# Altium PCB 2-quilter-output.pcbdoc (part 3 of 17)
Units mil, origin at the board's own origin, x right, y up, seen from the top; angles counter-clockwise.
Board outline 2728 x 2217 mil, 8 copper layers (L1_TOP, L2_GND, L3_INNER1, L4_GND, L5_PWR, L6_PWR, L7_GND, L8_BOT), stack 48.64 mil thick; 230 components, 327 nets, 1592 pads, 995 vias.
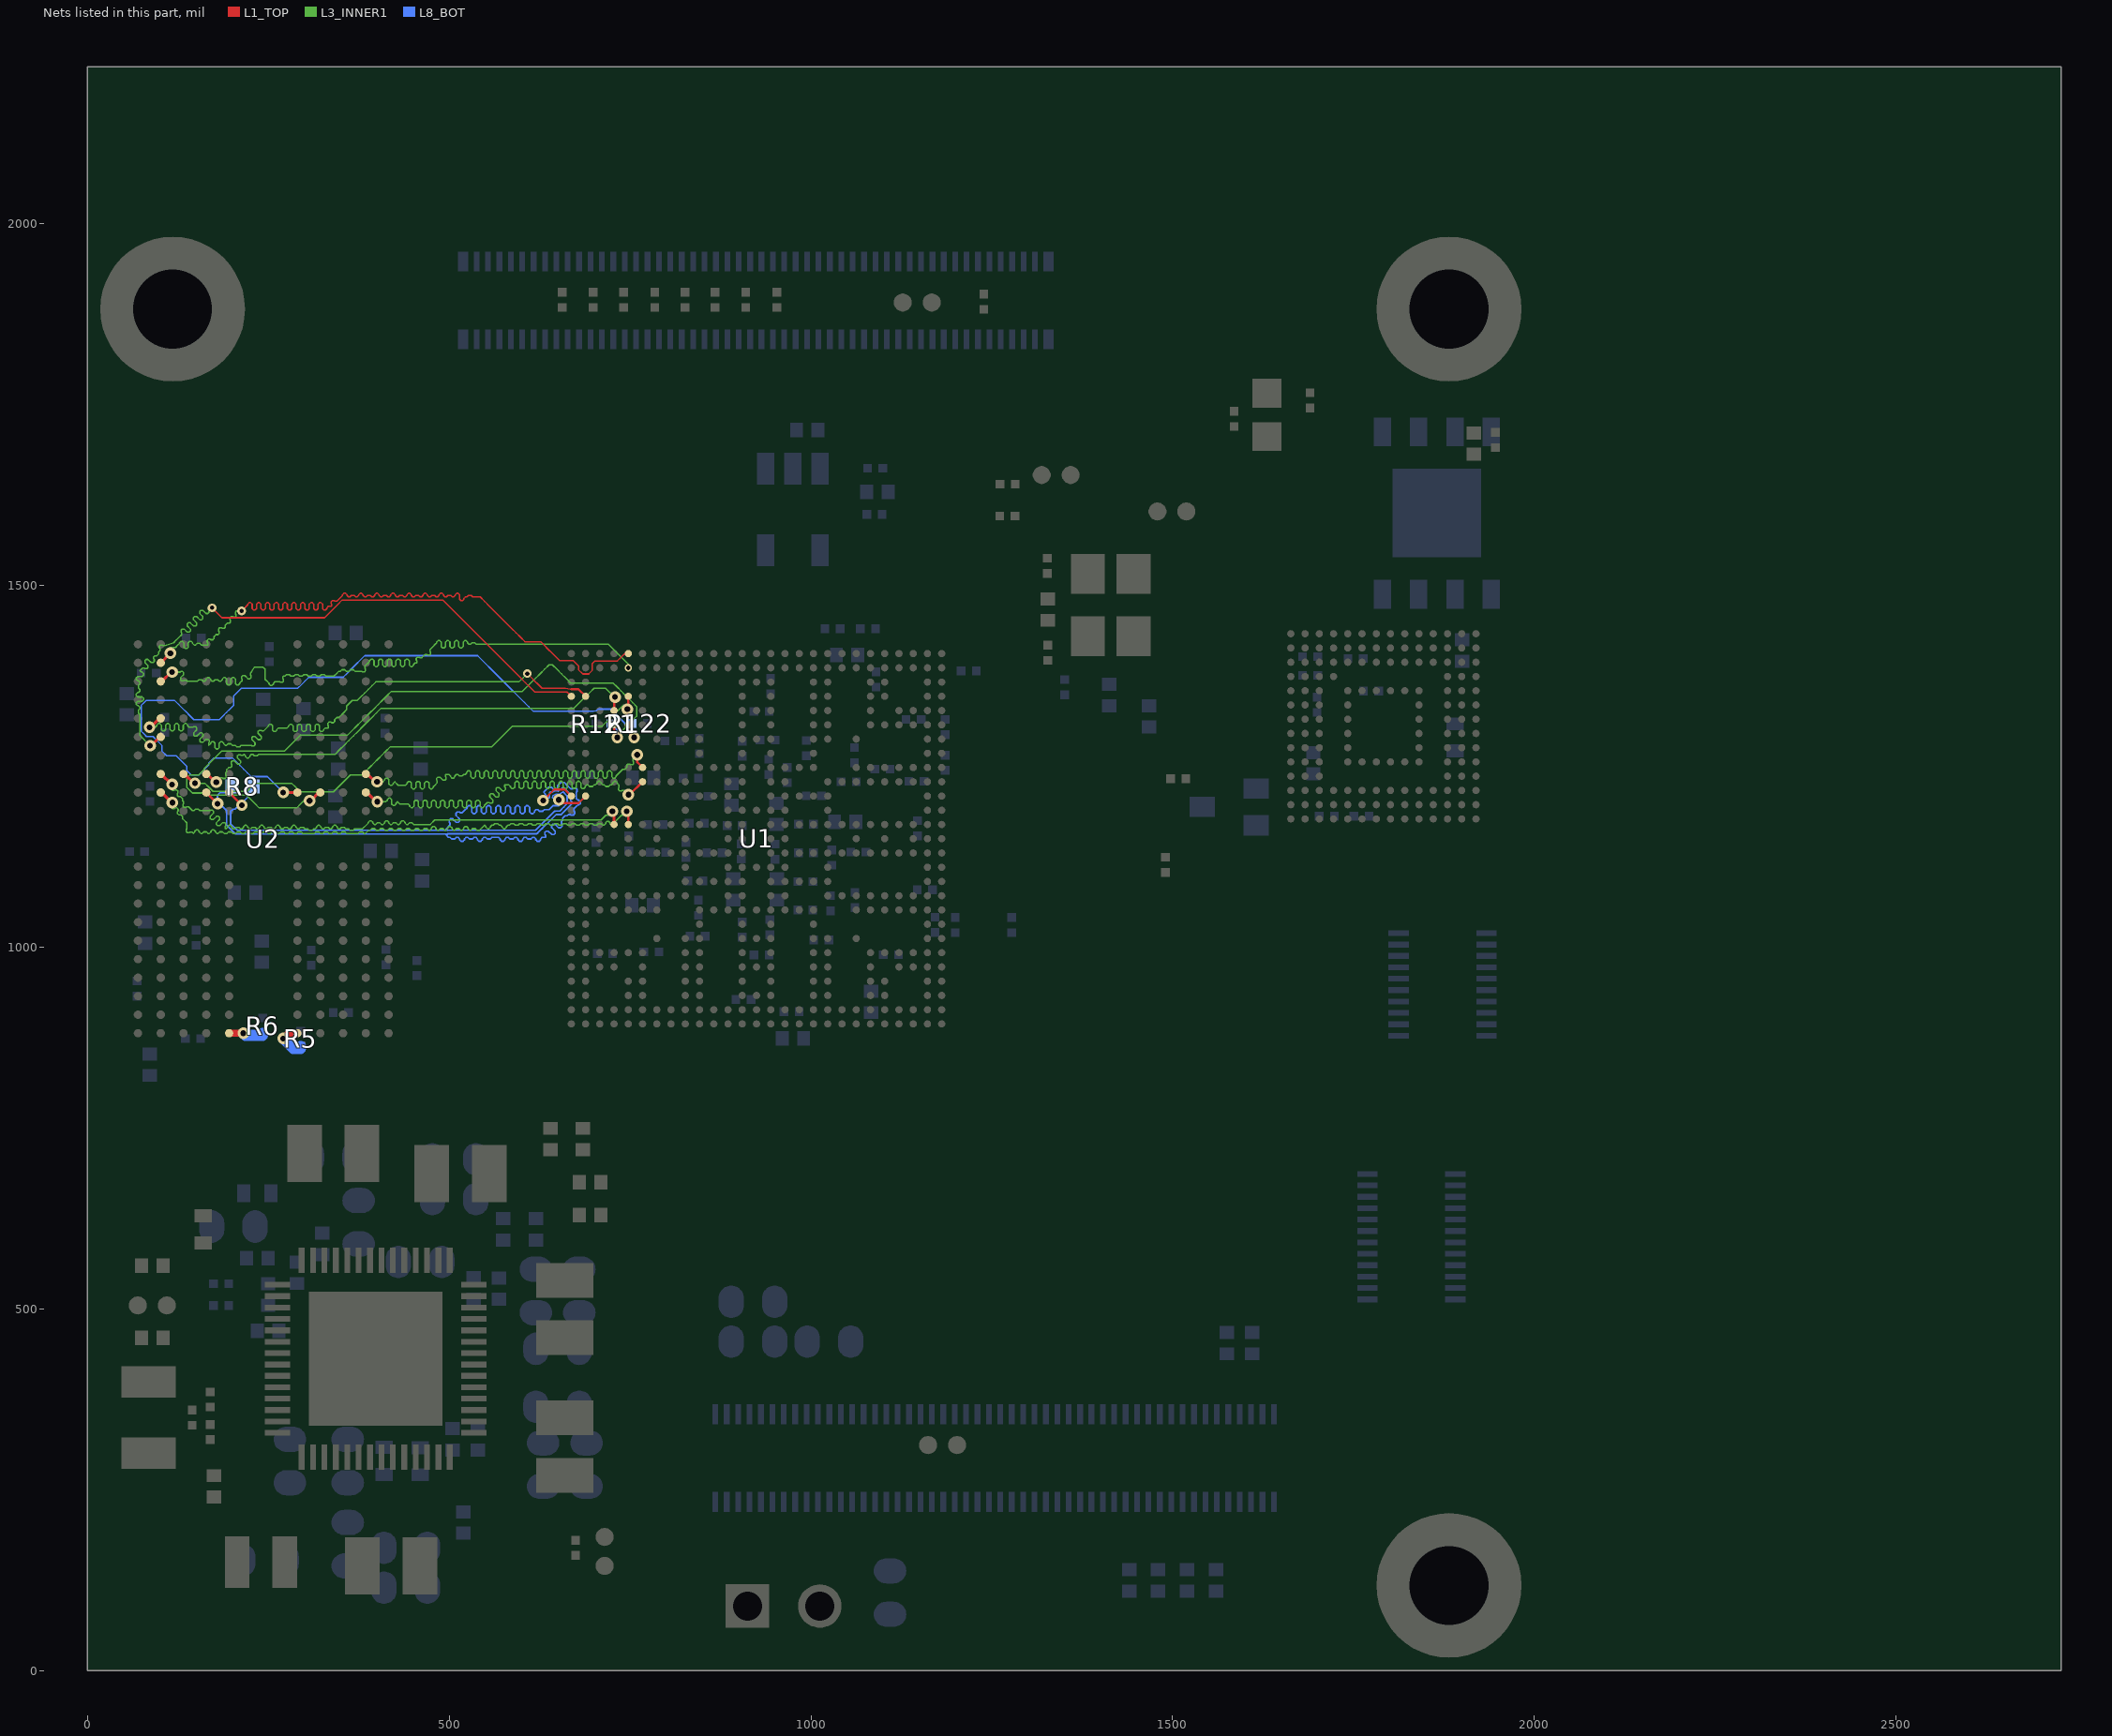
[diagram p9: the nets of this part, all layers, seen from the top]

## Via types
v1: diameter 12.01, hole 5.91, L1_TOP to L8_BOT, tented both sides, 409 vias
v2: diameter 16, hole 8, L1_TOP to L8_BOT, tented both sides, 329 vias
v3: diameter 10, hole 6, L1_TOP to L8_BOT, tented both sides, 205 vias
v4: diameter 16, hole 8, L1_TOP to L8_BOT, tented top, 52 vias

## Nets (pads, with @x,y where several pads share a name; then routed paths per layer and width w, separated by ;. In a path a pad name is that pad's centre, name@x,y a point inside that pad or via, vN(x,y) a via of type N, cw(c..) or ccw(c..) an arc to the next point about the centre after c; other vN are vias at no path point) (continued)
DRAM_ZQ0: R5.2 U2.A5 | length 55.5
  L1_TOP w10: v2(270.89,873.9) 278.19,881.2 U2.A5@290.57,881.2
  L8_BOT w15: v2(270.89,873.9) 284.64,860.15 294.98,860.15 R5.2@294.98,863.14
DRAM_ZQ1: R6.2 U2.A8 | length 50.8
  L1_TOP w10: U2.A8@196.09,881.2 v4(215.77,881.2)
  L8_BOT w15: v4(215.77,881.2) 218.74,878.23 242.62,878.23 R6.2@242.62,881.22
DRAMA_CA0: U1.J6 U2.R2 | length 765.5
  L1_TOP w3.3: v2(760.04,1265.84) 760.04,1255.69 U1.J6@767.41,1248.32
  L1_TOP w4.1: U2.R2@385.06,1239.47 387.06,1239.47 397.89,1228.64 v4(400.53,1228.64)
  L3_INNER1 w2: v4(400.53,1228.64) 408.58,1228.64 408.71,1228.64 410.75,1230.68 410.75,1231.68 412.78,1233.72 414.79,1233.72 416.82,1231.68 416.82,1225.6 418.86,1223.57 420.86,1223.57 422.9,1225.6 422.9,1226.6 424.93,1228.64 429.64,1223.94 434.77,1223.94 439.91,1223.94 441.95,1225.98 441.95,1226.98 443.98,1229.01 445.99,1229.01 448.02,1226.98 448.02,1220.9 450.06,1218.86 452.06,1218.86 454.1,1220.9 454.1,1226.98 456.13,1229.01 458.14,1229.01 460.17,1226.98 460.17,1220.9 462.21,1218.86 464.21,1218.86 466.25,1220.9 466.25,1226.98 468.29,1229.01 470.29,1229.01 472.32,1226.98 472.32,1220.9 474.36,1218.86 476.36,1218.86 478.4,1220.9 478.4,1221.9 480.44,1223.94 483.71,1227.21 483.71,1230.09 483,1230.8 483,1233.68 484.41,1235.09 487.3,1235.09 491.59,1230.8 494.47,1230.8 495.89,1232.21 495.89,1235.09 495.18,1235.8 495.18,1238.68 500,1238.68 502.04,1236.64 502.04,1235.64 504.07,1233.61 506.08,1233.61 508.11,1235.64 508.11,1236.64 510.15,1238.68 512.15,1238.68 514.19,1236.64 518.19,1236.64 520.23,1238.68 522.23,1238.68 524.27,1240.72 524.27,1241.72 526.3,1243.76 528.31,1243.76 530.34,1241.72 530.34,1235.64 532.38,1233.61 534.38,1233.61 536.42,1235.64 536.42,1241.72 538.46,1243.76 540.46,1243.76 542.49,1241.72 542.49,1235.64 544.53,1233.61 546.53,1233.61 548.57,1235.64 548.57,1241.72 550.61,1243.76 552.61,1243.76 554.65,1241.72 554.65,1235.64 556.68,1233.61 558.68,1233.61 560.72,1235.64 560.72,1241.72 562.76,1243.76 564.76,1243.76 566.8,1241.72 566.8,1235.64 568.83,1233.61 570.84,1233.61 572.87,1235.64 572.87,1241.72 574.91,1243.76 576.91,1243.76 578.95,1241.72 578.95,1235.64 580.98,1233.61 582.99,1233.61 585.02,1235.64 585.02,1241.72 587.06,1243.76 589.06,1243.76 591.1,1241.72 591.1,1235.64 593.14,1233.61 595.14,1233.61 597.17,1235.64 597.17,1241.72 599.21,1243.76 601.21,1243.76 603.25,1241.72 603.25,1235.64 605.29,1233.61 607.29,1233.61 609.33,1235.64 609.33,1241.72 611.36,1243.76 613.36,1243.76 615.4,1241.72 615.4,1235.64 617.44,1233.61 619.44,1233.61 621.48,1235.64 621.48,1241.72 623.51,1243.76 625.52,1243.76 627.55,1241.72 627.55,1235.64 629.59,1233.61 631.59,1233.61 633.63,1235.64 633.63,1241.72 635.66,1243.76 637.67,1243.76 639.7,1241.72 639.7,1235.64 641.74,1233.61 643.74,1233.61 645.78,1235.64 645.78,1241.72 647.82,1243.76 649.82,1243.76 651.85,1241.72 651.85,1235.64 653.89,1233.61 655.89,1233.61 657.93,1235.64 657.93,1241.72 659.97,1243.76 661.97,1243.76 664.01,1241.72 664.01,1235.64 666.04,1233.61 668.04,1233.61 670.08,1235.64 670.08,1241.72 672.12,1243.76 674.12,1243.76 676.16,1241.72 676.16,1235.64 678.19,1233.61 680.2,1233.61 682.23,1235.64 682.23,1241.72 684.27,1243.76 686.27,1243.76 688.31,1241.72 688.31,1235.64 690.34,1233.61 692.35,1233.61 694.38,1235.64 694.38,1241.72 696.42,1243.76 698.42,1243.76 700.46,1241.72 700.46,1235.64 702.5,1233.61 704.5,1233.61 706.53,1235.64 706.53,1241.72 708.57,1243.76 710.57,1243.76 712.61,1241.72 712.61,1235.64 714.65,1233.61 716.65,1233.61 718.69,1235.64 718.69,1241.72 720.72,1243.76 722.72,1243.76 724.76,1241.72 724.76,1235.64 726.8,1233.61 728.8,1233.61 730.84,1235.64 730.84,1236.64 732.87,1238.68 738.63,1244.44 740.05,1245.85 742.93,1245.85 745.76,1248.68 745.76,1251.57 747.17,1252.98 750.05,1252.98 750.76,1252.27 753.64,1252.27 755.06,1253.69 755.06,1256.57 754.35,1257.28 754.35,1260.16 v2@760.06,1265.85
DRAMA_CA1: U1.K6 U2.P2 | length 740.9
  L1_TOP w3.3: v2(747.89,1210.9) 749.67,1210.9 U1.K6@767.41,1228.64
  L1_TOP w4.1: U2.P2@385.06,1213.88 386.54,1213.88 399.33,1201.08 v4(400.81,1201.08)
  L3_INNER1 w2: v4(400.81,1201.08) 408.86,1201.08 412.62,1201.08 414.66,1203.12 414.66,1204.12 416.7,1206.16 418.7,1206.16 420.73,1204.12 420.73,1198.04 422.77,1196.01 424.77,1196.01 426.81,1198.04 426.81,1199.05 428.85,1201.08 431.92,1198 437.72,1198 443.52,1198 445.56,1195.97 445.56,1194.97 447.6,1192.93 449.6,1192.93 451.64,1194.97 451.64,1201.04 453.67,1203.08 455.67,1203.08 457.71,1201.04 457.71,1194.97 459.75,1192.93 461.75,1192.93 463.79,1194.97 463.79,1201.04 465.82,1203.08 467.83,1203.08 469.86,1201.04 469.86,1194.97 471.9,1192.93 473.9,1192.93 475.94,1194.97 475.94,1201.04 477.98,1203.08 479.98,1203.08 482.01,1201.04 482.01,1194.97 484.05,1192.93 486.05,1192.93 488.09,1194.97 488.09,1201.04 490.13,1203.08 492.13,1203.08 494.16,1201.04 494.16,1194.97 496.2,1192.93 498.2,1192.93 500.24,1194.97 500.24,1201.04 502.28,1203.08 504.28,1203.08 506.32,1201.04 506.32,1194.97 508.35,1192.93 510.35,1192.93 512.39,1194.97 512.39,1201.04 514.43,1203.08 516.43,1203.08 518.47,1201.04 518.47,1194.97 520.5,1192.93 522.51,1192.93 524.54,1194.97 524.54,1201.04 526.58,1203.08 528.58,1203.08 530.62,1201.04 530.62,1194.97 532.66,1192.93 534.66,1192.93 536.69,1194.97 536.69,1201.04 538.73,1203.08 540.73,1203.08 542.77,1201.04 542.77,1194.97 544.81,1192.93 546.81,1192.93 548.85,1194.97 548.85,1195.97 550.88,1198 552.72,1199.85 555.6,1199.85 556.31,1199.14 559.19,1199.14 560.61,1200.55 560.61,1203.43 556.31,1207.73 556.31,1210.61 557.73,1212.03 560.61,1212.03 564.9,1207.73 567.78,1207.73 569.2,1209.15 569.2,1212.03 564.9,1216.32 564.9,1219.2 566.32,1220.62 569.2,1220.62 573.5,1216.32 576.38,1216.32 577.79,1217.74 577.79,1220.62 577.08,1221.33 577.08,1224.21 582.77,1224.21 584.81,1222.17 584.81,1221.17 586.85,1219.13 588.85,1219.13 590.88,1221.17 590.88,1227.25 592.92,1229.28 594.92,1229.28 596.96,1227.25 596.96,1221.17 599,1219.13 601,1219.13 603.04,1221.17 603.04,1227.25 605.07,1229.28 607.07,1229.28 609.11,1227.25 609.11,1221.17 611.15,1219.13 613.15,1219.13 615.19,1221.17 615.19,1227.25 617.22,1229.28 619.23,1229.28 621.26,1227.25 621.26,1221.17 623.3,1219.13 625.3,1219.13 627.34,1221.17 627.34,1227.25 629.37,1229.28 631.38,1229.28 633.41,1227.25 633.41,1221.17 635.45,1219.13 637.45,1219.13 639.49,1221.17 639.49,1227.25 641.53,1229.28 643.53,1229.28 645.56,1227.25 645.56,1221.17 647.6,1219.13 649.6,1219.13 651.64,1221.17 651.64,1227.25 653.68,1229.28 655.68,1229.28 657.72,1227.25 657.72,1221.17 659.75,1219.13 661.75,1219.13 663.79,1221.17 663.79,1227.25 665.83,1229.28 667.83,1229.28 669.87,1227.25 669.87,1221.17 671.9,1219.13 673.91,1219.13 675.94,1221.17 675.94,1227.25 677.98,1229.28 679.98,1229.28 682.02,1227.25 682.02,1221.17 684.05,1219.13 686.06,1219.13 688.09,1221.17 688.09,1222.17 690.13,1224.21 692.13,1224.21 694.17,1222.17 698.17,1222.17 700.21,1224.21 702.21,1224.21 704.25,1226.24 704.25,1227.25 706.29,1229.28 708.29,1229.28 710.32,1227.25 710.32,1226.24 712.36,1224.21 714.36,1224.21 716.4,1222.17 720.4,1222.17 722.44,1224.21 724.44,1224.21 726.48,1226.24 726.48,1227.25 728.52,1229.28 730.52,1229.28 732.56,1227.25 732.56,1226.24 734.59,1224.21 735.03,1223.77 735.03,1220.89 734.32,1220.18 734.32,1217.3 735.74,1215.89 738.62,1215.89 739.32,1216.59 742.2,1216.59 v2(747.89,1210.9)
DRAMA_CA2: U1.E4 U2.R9 | length 682.4
  L1_TOP w3.3: U1.E4@728.04,1327.06 728.04,1344.39 v2(729.37,1345.72)
  L1_TOP w4.1: U2.R9@164.59,1239.47 165.81,1239.47 177.09,1228.19 v2(178.3,1228.19)
  L3_INNER1 w2: v2(178.3,1228.19) 184,1233.9 186.88,1233.9 187.58,1233.19 190.46,1233.19 191.88,1234.61 191.88,1237.49 191.17,1238.19 191.17,1241.07 192.59,1242.49 192.59,1245.37 195.42,1248.2 198.3,1248.2 199.72,1249.62 199.72,1252.5 199.01,1253.21 199.01,1256.09 200.42,1257.5 203.3,1257.5 207.6,1253.21 210.48,1253.21 211.9,1254.62 211.9,1257.5 207.6,1261.8 207.6,1264.68 209.02,1266.09 211.9,1266.09 212.6,1265.39 215.48,1265.39 216.69,1266.59 218.73,1264.56 218.73,1263.56 220.77,1261.52 222.77,1261.52 224.8,1263.56 224.8,1264.56 226.84,1266.59 228.84,1266.59 230.88,1264.56 234.88,1264.56 236.92,1266.59 238.92,1266.59 247.55,1266.59 256.18,1266.59 264.8,1266.59 273.43,1266.59 282.06,1266.59 290.68,1266.59 299.31,1266.59 307.93,1266.59 316.56,1266.59 325.19,1266.59 333.81,1266.59 342.44,1266.59 348.8,1272.95 355.16,1279.32 361.53,1285.68 367.89,1292.04 374.25,1298.4 380.61,1304.76 386.97,1311.13 393.34,1317.49 399.7,1323.85 406.06,1330.21 414.95,1330.21 423.84,1330.21 432.72,1330.21 441.61,1330.21 450.5,1330.21 459.39,1330.21 468.28,1330.21 477.16,1330.21 486.05,1330.21 494.94,1330.21 503.83,1330.21 512.72,1330.21 521.6,1330.21 530.49,1330.21 539.38,1330.21 548.27,1330.21 557.16,1330.21 566.04,1330.21 574.93,1330.21 583.82,1330.21 592.71,1330.21 601.6,1330.21 610.48,1330.21 619.37,1330.21 628.26,1330.21 637.15,1330.21 646.04,1330.21 654.92,1330.21 663.81,1330.21 672.7,1330.21 678.23,1335.74 683.76,1341.27 689.28,1346.79 694.81,1352.32 700.34,1357.85 708.34,1357.85 716.35,1357.85 719.57,1354.63 722.78,1351.42 723.68,1351.42 v2(729.37,1345.72)
DRAMA_CA3: U1.D5 U2.R10 | length 703.2
  L1_TOP w3.3: v2(746.53,1328.94) 747.73,1330.14 U1.D5@747.73,1346.75
  L1_TOP w4.1: U2.R10@133.09,1239.47 134.56,1239.47 147.37,1226.67 v4(148.84,1226.67)
  L3_INNER1 w2: v4(148.84,1226.67) 156.89,1226.67 162.55,1226.67 168.14,1221.08 173.73,1215.49 181.63,1215.49 189.53,1215.49 197.42,1215.49 205.32,1215.49 213.22,1215.49 221.12,1215.49 226.71,1221.08 232.29,1226.67 240.65,1226.67 249.01,1226.67 257.36,1226.67 265.72,1226.67 274.08,1226.67 282.43,1226.67 288.36,1220.75 294.28,1214.82 301.96,1214.82 309.63,1214.82 317.3,1214.82 324.98,1214.82 332.65,1214.82 340.33,1214.82 346.17,1220.66 352.01,1226.51 357.85,1232.35 363.69,1238.19 371.84,1238.19 379.98,1238.19 385.47,1243.68 390.96,1249.17 396.45,1254.66 401.94,1260.15 407.44,1265.64 412.93,1271.13 418.42,1276.62 427.18,1276.62 435.95,1276.62 444.71,1276.62 453.48,1276.62 462.24,1276.62 471.01,1276.62 479.77,1276.62 488.54,1276.62 497.3,1276.62 506.07,1276.62 514.83,1276.62 523.6,1276.62 532.37,1276.62 541.13,1276.62 549.9,1276.62 558.66,1276.62 564.46,1282.42 570.27,1288.23 576.07,1294.03 581.87,1299.83 587.67,1305.63 596.54,1305.63 605.41,1305.63 614.27,1305.63 623.14,1305.63 632.01,1305.63 640.88,1305.63 649.74,1305.63 658.61,1305.63 667.48,1305.63 676.35,1305.63 685.21,1305.63 694.08,1305.63 702.95,1305.63 711.82,1305.63 717.62,1311.44 723.42,1317.24 729.22,1323.04 735.02,1328.84 740.83,1334.65 v2@746.52,1328.96
DRAMA_CA4: U1.N4 U2.R11 | length 814.2
  L1_TOP w3.3: v2(725.62,1187.9) 727.96,1185.56 727.96,1169.66 U1.N4@728.04,1169.58
  L1_TOP w4.1: U2.R11@101.6,1239.47 102.2,1239.47 116.75,1224.92 v2(117.36,1224.92)
  L3_INNER1 w2: v2@117.34,1224.9 117.36,1216.85 120.24,1216.85 120.95,1217.56 123.83,1217.56 125.25,1216.14 125.25,1213.26 124.54,1212.55 124.54,1209.67 125.95,1208.26 128.83,1208.26 131.67,1205.43 131.67,1202.55 133.08,1201.13 133.08,1198.25 132.37,1197.54 132.37,1194.66 133.79,1193.25 136.67,1193.25 137.38,1193.95 140.26,1193.95 145.51,1188.7 147.51,1188.7 149.55,1190.74 153.55,1190.74 155.59,1188.7 157.59,1188.7 166.45,1188.7 169.34,1188.7 170.04,1189.41 172.92,1189.41 174.34,1187.99 174.34,1185.11 170.04,1180.82 170.04,1177.94 171.46,1176.52 174.34,1176.52 178.64,1180.82 181.52,1180.82 182.93,1179.4 182.93,1176.52 178.64,1172.22 178.64,1169.34 180.05,1167.93 182.93,1167.93 187.23,1172.22 190.11,1172.22 191.52,1170.81 191.52,1167.93 190.82,1167.22 190.82,1164.34 191.67,1163.48 193.71,1165.52 193.71,1166.52 195.75,1168.56 197.75,1168.56 199.78,1166.52 199.78,1165.52 201.82,1163.48 203.82,1163.48 205.86,1165.52 209.86,1165.52 211.9,1163.48 213.9,1163.48 215.94,1165.52 215.94,1166.52 217.98,1168.56 219.98,1168.56 222.02,1166.52 222.02,1165.52 224.05,1163.48 226.05,1163.48 228.09,1165.52 232.1,1165.52 234.13,1163.48 236.13,1163.48 238.17,1165.52 238.17,1166.52 240.21,1168.56 242.21,1168.56 244.25,1166.52 244.25,1165.52 246.28,1163.48 248.29,1163.48 250.32,1165.52 254.33,1165.52 256.36,1163.48 258.36,1163.48 260.4,1165.52 260.4,1166.52 262.44,1168.56 264.44,1168.56 266.48,1166.52 266.48,1165.52 268.51,1163.48 270.52,1163.48 272.55,1165.52 276.56,1165.52 278.59,1163.48 280.6,1163.48 282.63,1165.52 282.63,1166.52 284.67,1168.56 286.67,1168.56 288.71,1166.52 288.71,1165.52 290.74,1163.48 292.75,1163.48 294.78,1165.52 298.79,1165.52 300.82,1163.48 302.83,1163.48 304.83,1163.48 306.86,1161.45 310.87,1161.45 312.91,1163.48 314.91,1163.48 316.94,1165.52 316.94,1166.52 318.98,1168.56 320.98,1168.56 323.02,1166.52 323.02,1165.52 325.06,1163.48 327.06,1163.48 329.1,1165.52 333.1,1165.52 335.14,1163.48 337.14,1163.48 339.18,1165.52 339.18,1166.52 341.21,1168.56 343.21,1168.56 345.25,1166.52 345.25,1165.52 347.29,1163.48 349.29,1163.48 351.33,1165.52 355.33,1165.52 357.37,1163.48 359.37,1163.48 361.37,1163.48 363.41,1161.45 367.41,1161.45 369.45,1163.48 371.45,1163.48 380.33,1163.48 386.51,1169.66 388.54,1171.7 388.54,1172.7 390.58,1174.74 392.58,1174.74 394.62,1172.7 394.62,1171.7 396.65,1169.66 398.66,1169.66 400.69,1171.7 404.7,1171.7 406.73,1169.66 408.74,1169.66 410.77,1171.7 410.77,1172.7 412.81,1174.74 414.81,1174.74 416.85,1172.7 416.85,1171.7 418.89,1169.66 420.89,1169.66 422.92,1171.7 426.93,1171.7 428.96,1169.66 430.97,1169.66 433,1171.7 433,1172.7 435.04,1174.74 437.04,1174.74 439.08,1172.7 439.08,1171.7 441.12,1169.66 443.12,1169.66 445.15,1171.7 449.16,1171.7 451.2,1169.66 453.2,1169.66 460.19,1169.66 467.19,1169.66 474.18,1169.66 480.28,1175.76 489.13,1175.76 497.97,1175.76 506.82,1175.76 515.66,1175.76 524.51,1175.76 533.36,1175.76 542.2,1175.76 551.05,1175.76 559.89,1175.76 568.74,1175.76 577.58,1175.76 586.43,1175.76 595.28,1175.76 604.12,1175.76 612.97,1175.76 621.81,1175.76 630.66,1175.76 639.5,1175.76 648.35,1175.76 657.19,1175.76 666.04,1175.76 674.89,1175.76 683.73,1175.76 692.58,1175.76 701.42,1175.76 710.27,1175.76 713.49,1178.98 716.71,1182.2 719.92,1182.2 v2(725.62,1187.9)
DRAMA_CA5: U1.N5 U2.P11 | length 826.8
  L1_TOP w3: v2(745.62,1187.9) 747.73,1185.79 U1.N5@747.73,1169.58
  L1_TOP w4.1: U2.P11@101.6,1213.88 102.63,1213.88 116.69,1199.82 v4(117.72,1199.82)
  L3_INNER1 w2: v4(117.72,1199.82) 117.72,1191.77 120.6,1191.77 121.3,1192.48 124.19,1192.48 125.6,1191.06 125.6,1188.18 124.89,1187.48 124.89,1184.6 126.31,1183.18 129.19,1183.18 132.02,1180.35 132.02,1177.47 133.44,1176.05 137.63,1171.85 137.63,1166.36 137.63,1163.47 136.93,1162.77 136.93,1159.89 138.34,1158.47 141.22,1158.47 141.93,1159.18 144.81,1159.18 146.67,1157.32 148.71,1159.35 148.71,1160.35 150.75,1162.39 152.75,1162.39 154.79,1160.35 154.79,1159.35 156.82,1157.32 158.82,1157.32 160.86,1159.35 164.87,1159.35 166.9,1157.32 168.9,1157.32 170.94,1159.35 170.94,1160.35 172.98,1162.39 174.98,1162.39 177.02,1160.35 177.02,1159.35 179.05,1157.32 181.06,1157.32 183.09,1159.35 187.1,1159.35 189.13,1157.32 191.14,1157.32 193.14,1157.32 195.17,1159.35 199.18,1159.35 201.21,1157.32 203.22,1157.32 205.22,1157.32 207.26,1159.35 211.26,1159.35 213.3,1157.32 215.3,1157.32 217.3,1157.32 219.34,1159.35 223.34,1159.35 225.38,1157.32 227.38,1157.32 229.38,1157.32 231.42,1159.35 235.42,1159.35 237.46,1157.32 239.46,1157.32 241.46,1157.32 243.5,1159.35 247.5,1159.35 249.54,1157.32 251.54,1157.32 253.54,1157.32 255.58,1159.35 259.59,1159.35 261.62,1157.32 263.62,1157.32 265.63,1157.32 267.66,1159.35 271.67,1159.35 273.7,1157.32 275.71,1157.32 277.71,1157.32 279.74,1159.35 283.75,1159.35 285.79,1157.32 287.79,1157.32 289.79,1157.32 291.83,1159.35 295.83,1159.35 297.87,1157.32 299.87,1157.32 305.91,1157.32 311.95,1157.32 313.95,1157.32 315.99,1159.35 319.99,1159.35 322.03,1157.32 324.03,1157.32 326.03,1157.32 328.07,1159.35 332.08,1159.35 334.11,1157.32 336.11,1157.32 338.12,1157.32 340.15,1159.35 344.16,1159.35 346.19,1157.32 348.2,1157.32 350.2,1157.32 352.23,1159.35 356.24,1159.35 358.28,1157.32 360.28,1157.32 366.32,1157.32 372.36,1157.32 374.36,1157.32 376.4,1159.35 380.4,1159.35 382.44,1157.32 384.58,1157.32 389.13,1161.87 391.14,1161.87 393.17,1163.91 397.18,1163.91 399.21,1161.87 401.22,1161.87 403.22,1161.87 405.26,1163.91 409.26,1163.91 411.3,1161.87 413.3,1161.87 415.3,1161.87 417.34,1163.91 421.34,1163.91 423.38,1161.87 425.38,1161.87 427.38,1161.87 429.42,1163.91 433.42,1163.91 435.46,1161.87 437.46,1161.87 439.46,1161.87 441.5,1163.91 445.5,1163.91 447.54,1161.87 449.54,1161.87 451.54,1161.87 453.58,1163.91 457.59,1163.91 459.62,1161.87 461.62,1161.87 463.63,1161.87 465.66,1163.91 469.67,1163.91 471.7,1161.87 473.71,1161.87 475.74,1163.91 475.74,1164.91 477.78,1166.94 479.78,1166.94 481.82,1164.91 481.82,1163.91 483.85,1161.87 485.86,1161.87 487.89,1163.91 491.9,1163.91 493.93,1161.87 495.94,1161.87 497.97,1163.91 497.97,1164.91 500.01,1166.94 502.01,1166.94 504.05,1164.91 504.05,1163.91 506.09,1161.87 508.09,1161.87 510.12,1163.91 514.13,1163.91 516.17,1161.87 518.17,1161.87 520.2,1163.91 520.2,1164.91 522.24,1166.94 524.24,1166.94 526.28,1164.91 526.28,1163.91 528.32,1161.87 530.32,1161.87 532.36,1163.91 536.36,1163.91 538.4,1161.87 540.4,1161.87 542.11,1161.87 545.58,1165.34 549.06,1168.81 551.09,1166.77 551.09,1165.77 553.13,1163.74 555.13,1163.74 557.17,1165.77 557.17,1166.77 559.2,1168.81 561.21,1168.81 563.24,1170.85 567.25,1170.85 569.28,1168.81 571.29,1168.81 573.32,1166.77 573.32,1165.77 575.36,1163.74 577.36,1163.74 579.4,1165.77 579.4,1166.77 581.44,1168.81 583.44,1168.81 585.47,1170.85 589.48,1170.85 591.51,1168.81 593.52,1168.81 595.52,1168.81 597.56,1170.85 601.56,1170.85 603.6,1168.81 605.6,1168.81 607.6,1168.81 609.64,1170.85 613.64,1170.85 615.68,1168.81 617.68,1168.81 619.68,1168.81 621.72,1170.85 625.72,1170.85 627.76,1168.81 629.76,1168.81 631.76,1168.81 633.8,1170.85 637.8,1170.85 639.84,1168.81 641.84,1168.81 643.84,1168.81 645.88,1170.85 649.89,1170.85 651.92,1168.81 653.92,1168.81 655.93,1168.81 657.96,1170.85 661.97,1170.85 664,1168.81 666.01,1168.81 668.01,1168.81 670.04,1170.85 674.05,1170.85 676.09,1168.81 678.09,1168.81 680.09,1168.81 682.13,1170.85 686.13,1170.85 688.17,1168.81 690.17,1168.81 692.17,1168.81 694.21,1170.85 698.21,1170.85 700.25,1168.81 702.25,1168.81 704.25,1168.81 706.29,1170.85 710.29,1170.85 712.33,1168.81 714.33,1168.81 716.37,1170.85 716.37,1171.85 718.41,1173.88 720.41,1173.88 722.44,1171.85 722.44,1170.85 724.48,1168.81 724.8,1168.81 729.27,1173.28 733.73,1177.74 738.2,1182.2 739.92,1182.2 v2(745.62,1187.9)
DRAMA_CK_C: R8.2 U1.L1 U2.P9 | length 1091.7
  L1_TOP w3: v2(630,1202.68) 645.29,1217.97 659.97,1217.97 U1.L1@668.98,1208.96
  L1_TOP w3.3: U2.P9@164.59,1213.88 v2(180.13,1198.34)
  L8_BOT w2.3: R8.2@199.9,1222.19 191.61,1213.9 183.89,1213.9 180.13,1210.14 v2(180.13,1198.34) 186.09,1198.34 186.09,1195.5 192.79,1188.8 192.79,1168.71 205.15,1156.35 495.65,1156.35 496,1156 ; 496.4,1154.78 498.92,1151.79 501.22,1151.79 503.4,1149.61 508,1149.61 510.19,1151.79 512.49,1151.79 514.67,1149.61 514.67,1148.46 516.86,1146.27 519.16,1146.27 521.35,1148.46 521.35,1149.61 523.53,1151.79 525.83,1151.79 528.02,1149.61 532.62,1149.61 534.8,1151.79 537.1,1151.79 539.29,1149.61 539.29,1148.46 541.47,1146.27 543.77,1146.27 545.96,1148.46 545.96,1149.61 548.15,1151.79 550.45,1151.79 552.63,1149.61 557.23,1149.61 559.42,1151.79 561.72,1151.79 568.5,1151.79 570.69,1149.61 570.69,1148.46 572.87,1146.27 575.17,1146.27 577.36,1148.46 577.36,1149.61 579.55,1151.79 581.85,1151.79 584.03,1149.61 588.63,1149.61 590.82,1151.79 593.12,1151.79 595.3,1149.61 595.3,1148.46 597.49,1146.27 599.79,1146.27 601.97,1148.46 601.97,1149.61 604.16,1151.79 606.46,1151.79 608.65,1149.61 613.25,1149.61 615.43,1151.79 617.73,1151.79 619.92,1149.61 619.92,1148.46 622.1,1146.27 624.4,1146.27 626.59,1148.46 626.59,1149.61 628.78,1151.79 633.32,1151.79 633.32,1154.88 632.5,1155.7 632.5,1158.79 634.13,1160.41 637.22,1160.41 641.94,1155.7 645.03,1155.7 646.65,1157.32 646.65,1160.41 641.94,1165.13 641.94,1168.22 643.56,1169.85 646.65,1169.85 651.37,1165.13 654.46,1165.13 656.09,1166.76 656.09,1169.85 655.28,1170.66 655.28,1173.75 656.9,1175.38 656.9,1178.47 660.16,1181.72 663.25,1181.72 664.87,1183.35 667.96,1183.35 668.78,1182.54 671.87,1182.54 673.5,1184.16 673.5,1187.26 672.68,1188.07 672.68,1191.16 675.92,1194.4 678.11,1196.59 679.26,1196.59 681.45,1198.77 681.45,1201.07 679.26,1203.26 678.11,1203.26 675.92,1205.44 675.92,1211.15 675.92,1214.24 676.74,1215.06 676.74,1218.15 675.11,1219.78 672.02,1219.78 671.21,1218.96 668.12,1218.96 663.7,1223.38 659.29,1227.79 654.29,1227.79 649.79,1223.3 650.11,1218.39 645.93,1216.42 641.88,1220.74 637.27,1220.74 631.17,1214.64 631.17,1213.78 635.71,1208.39 v2(630,1202.68) ; 497.22,1155.59 497.7,1156.6 505.09,1156.79 514.72,1156.79 524.35,1156.79 533.98,1156.79 543.6,1156.79 553.23,1156.79 562.86,1156.79 572.49,1156.79 582.12,1156.79 591.74,1156.79 601.37,1156.79 611,1156.79 620.63,1156.79 620.71,1156.79 620.8,1156.79 620.88,1156.8 620.96,1156.81 621.05,1156.83 621.13,1156.84 621.21,1156.86 621.29,1156.88 621.37,1156.91 621.45,1156.94 621.53,1156.97 621.61,1157 621.69,1157.04 621.76,1157.07 621.84,1157.12 621.91,1157.16 621.98,1157.21 622.05,1157.26 622.12,1157.31 622.18,1157.36 622.24,1157.42 622.31,1157.47 ; 622.32,1157.49 628.79,1163.96 635.25,1170.42 641.72,1176.88 648.18,1183.35 653.98,1183.35 654.07,1183.35 654.15,1183.35 654.24,1183.36 654.32,1183.37 654.4,1183.38 654.49,1183.4 654.57,1183.42 654.65,1183.44 654.73,1183.47 654.81,1183.5 654.89,1183.53 654.97,1183.56 655.04,1183.6 655.12,1183.63 655.19,1183.68 655.27,1183.72 655.34,1183.77 655.41,1183.81 655.47,1183.87 655.54,1183.92 655.6,1183.98 655.66,1184.03 ; v2@631.14,1203.83 638.43,1206.68 638.8,1211.37 ; 638.8,1211.38 638.88,1212.4 638.89,1212.52 ; 638.89,1212.53 638.9,1212.62 638.91,1212.7 638.93,1212.78 638.95,1212.87 638.97,1212.95 638.99,1213.03 639.02,1213.11 639.04,1213.19 639.08,1213.27 639.11,1213.35 639.15,1213.42 ; 639.16,1213.45 639.19,1213.5 639.23,1213.57 639.27,1213.64 639.32,1213.71 ; 639.34,1213.74 639.37,1213.78 639.42,1213.85 639.48,1213.91 ; 639.5,1213.94 639.53,1213.97 639.59,1214.04 639.66,1214.09 639.72,1214.15 639.78,1214.2 639.85,1214.26 639.92,1214.31 ; 639.95,1214.32 639.99,1214.35 640.06,1214.4 640.11,1214.42 ; 640.16,1214.45 640.21,1214.48 640.29,1214.51 640.36,1214.55 640.44,1214.58 640.52,1214.61 640.58,1214.62 ; 640.6,1214.63 640.68,1214.66 640.77,1214.68 640.85,1214.69 640.93,1214.71 641.02,1214.72 641.1,1214.73 641.18,1214.73 641.27,1214.73 641.35,1214.73 641.44,1214.73 641.52,1214.72 641.61,1214.71 641.69,1214.7 641.77,1214.68 641.86,1214.66 641.94,1214.64 642.02,1214.62 642.1,1214.59 642.18,1214.56 642.26,1214.53 642.33,1214.49 642.41,1214.45 642.48,1214.41 642.53,1214.38 646.29,1216.02 ; 646.32,1216.03 646.4,1216.06 646.48,1216.09 646.56,1216.11 646.64,1216.13 646.72,1216.15 646.81,1216.17 646.89,1216.19 646.97,1216.2 647.06,1216.21 647.14,1216.21 647.23,1216.21 647.31,1216.21 647.4,1216.21 647.48,1216.2 650.8,1215.88 656.31,1219.92 ; 655.68,1184.05 662.23,1190.6 668.77,1197.14 668.83,1197.2 668.89,1197.27 668.94,1197.33 668.99,1197.4 669.04,1197.47 669.09,1197.54 669.13,1197.61 669.18,1197.68 669.22,1197.76 669.25,1197.83 669.29,1197.91 669.32,1197.99 669.35,1198.07 669.37,1198.15 669.4,1198.23 669.42,1198.31 669.43,1198.39 669.45,1198.48 669.46,1198.56 669.47,1198.65 669.47,1198.73 669.47,1198.81 669.47,1200.21 669.47,1200.3 669.47,1200.38 669.46,1200.46 669.45,1200.55 669.44,1200.63 669.42,1200.71 669.4,1200.8 669.38,1200.88 669.36,1200.96 669.33,1201.04 669.3,1201.12 669.26,1201.2 669.23,1201.27 669.19,1201.35 669.15,1201.42 669.1,1201.49 669.06,1201.56 669.01,1201.63 668.96,1201.7 668.9,1201.77 668.85,1201.83 668.79,1201.89 ; 656.32,1219.93 656.39,1219.98 656.46,1220.02 656.53,1220.06 656.61,1220.11 656.68,1220.14 656.76,1220.18 656.84,1220.21 656.92,1220.24 657,1220.27 657.08,1220.29 657.16,1220.31 657.24,1220.33 657.33,1220.35 657.41,1220.36 657.49,1220.37 657.58,1220.38 657.66,1220.38 657.75,1220.38 657.83,1220.38 657.92,1220.37 658,1220.36 658.08,1220.35 658.17,1220.34 658.25,1220.32 658.33,1220.3 658.41,1220.28 658.5,1220.25 658.57,1220.22 658.65,1220.19 658.73,1220.16 658.81,1220.12 658.88,1220.08 658.95,1220.04 659.03,1220 659.1,1219.95 659.17,1219.9 659.23,1219.85 659.3,1219.79 659.36,1219.74 659.42,1219.68 663.39,1215.71 667.35,1211.75 667.43,1211.67 667.48,1211.61 667.53,1211.54 667.59,1211.47 667.63,1211.4 667.68,1211.33 667.73,1211.26 667.77,1211.19 667.81,1211.11 667.84,1211.04 667.88,1210.96 667.91,1210.88 667.93,1210.8 667.96,1210.72 667.98,1210.64 668,1210.55 668.02,1210.47 668.03,1210.39 668.04,1210.3 668.05,1210.22 668.05,1210.13 668.05,1210.05 668.05,1202.63 668.77,1201.91